# KiCad board data-center-rdimm-ddr5-tester.kicad_pcb (continued)
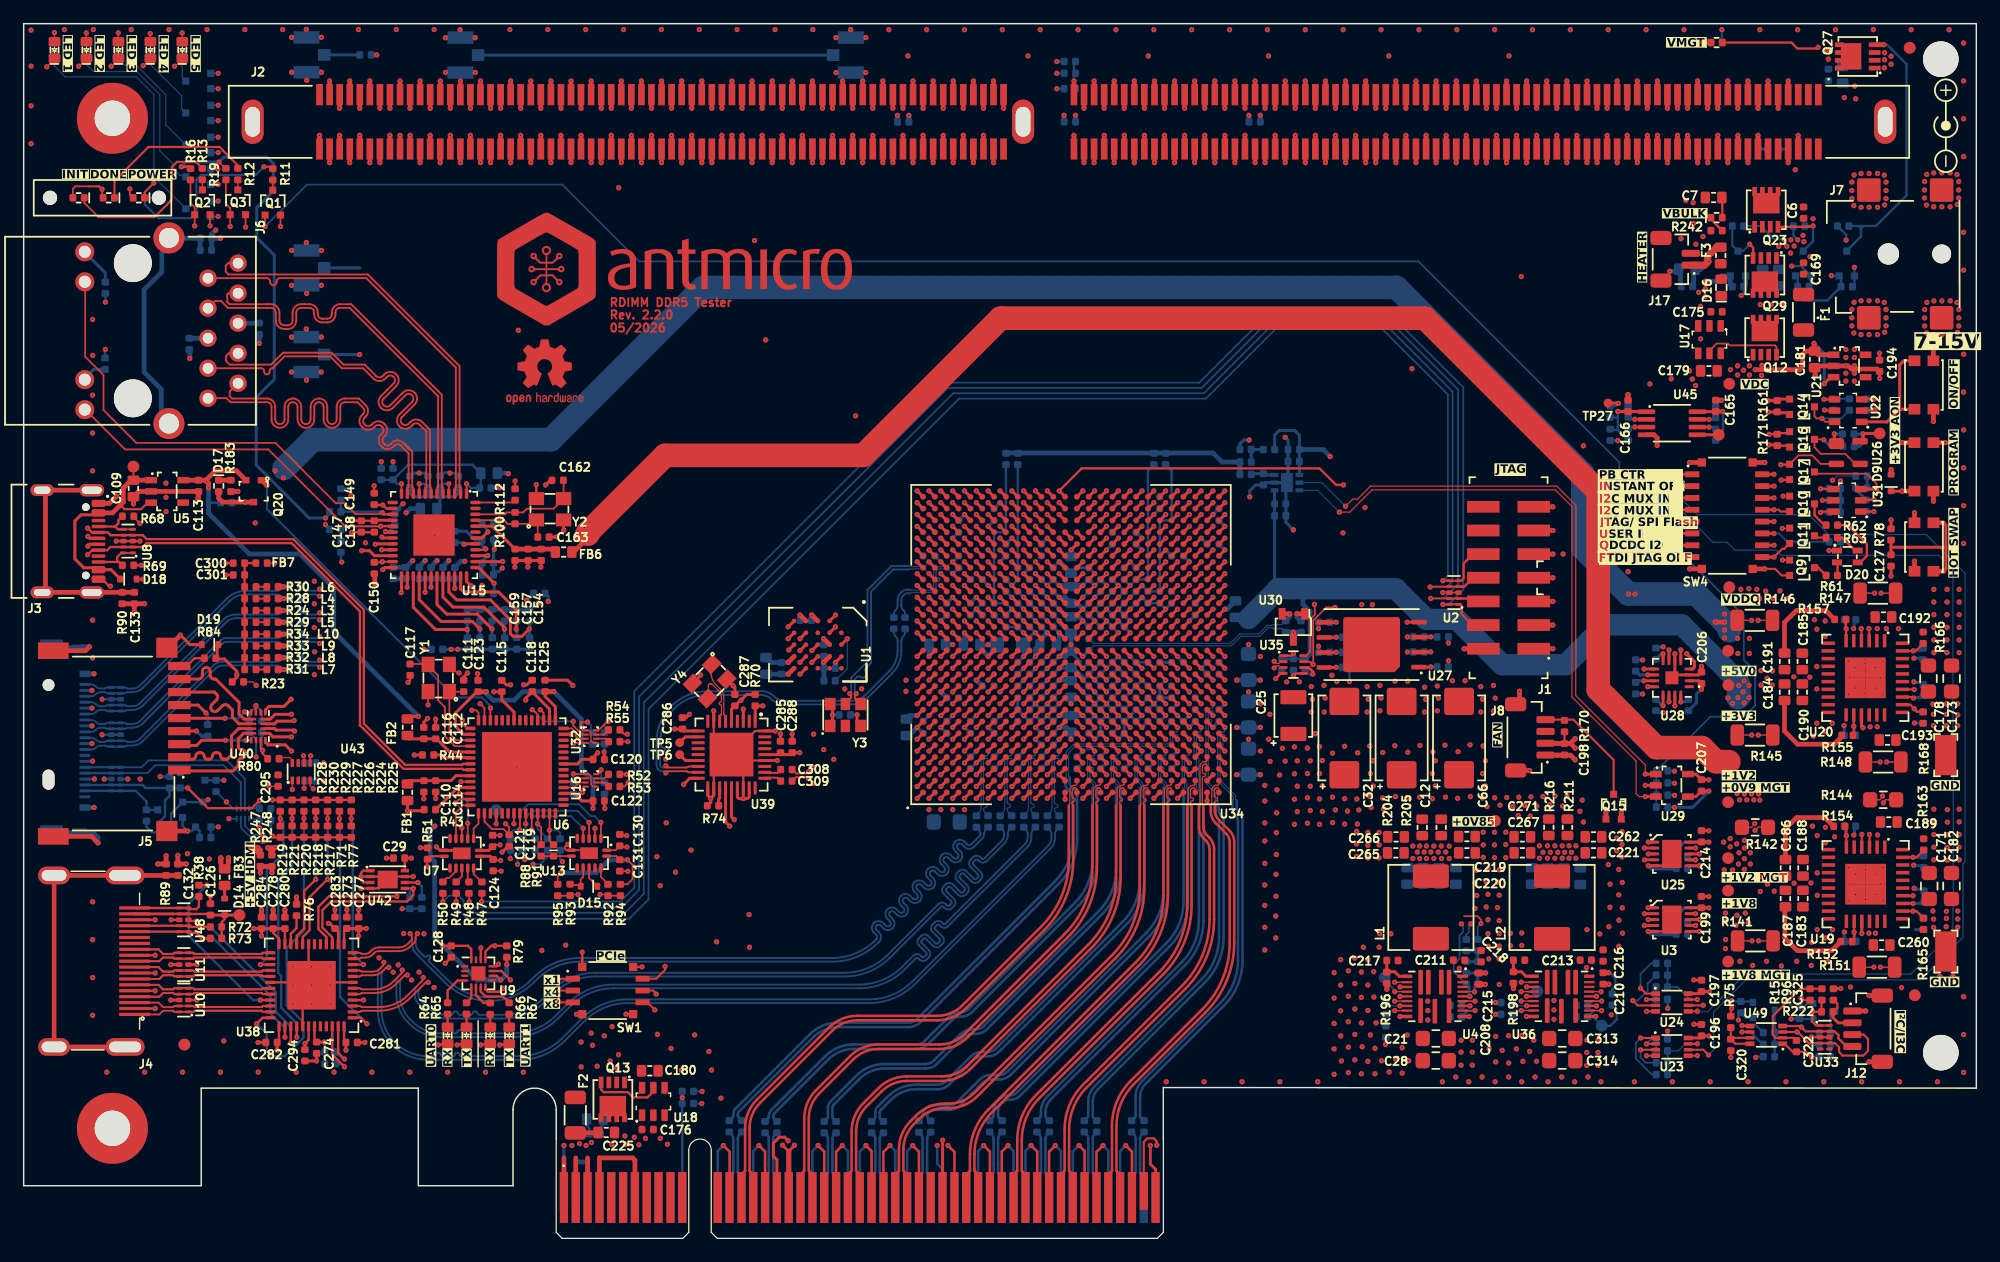
[diagram p0: board, top side]
## Routing (per net, layer and track width the routed paths; a pad name or vN(x,y) marks a point on that pad's centre or on a via; arc(x,y) is an arc through that point) (continued)
/DDR5 RDIMM/B.DQS0_N: length 72
  Top w0.256: U34.K18 v1(84.5,55.2)
  Top w0.38: J2.105 v1(58.15,95.55)
  In2.Cu w0.1: 90.89,64.08 90.92,64.05 90.92,60.06 90.66,59.8 90.21,59.8 89.9,59.49 89.9,56.94 89.76,56.8 89.06,56.8 88.06,55.8 87.2,55.8 arc(87.15,55.82) 87.12,55.88 arc(87.1,55.93) 87.05,55.95 87,55.95 arc(86.95,55.93) 86.93,55.88 arc(86.9,55.82) 86.85,55.8 85.14,55.8 84.91,55.57 84.91,55.34 84.78,55.2 v1(84.5,55.2)
  In2.Cu w0.13: 90.89,64.08 90.89,69.72 81.83,78.78 81.83,81.84 arc(81.78,82.08) 81.64,82.29 81.58,82.35 arc(81.39,82.8) 81.58,83.24 81.66,83.33 arc(81.78,83.6) 81.66,83.87 81.14,84.39 arc(80.87,84.51) 80.59,84.39 80.51,84.31 arc(80.07,84.12) 79.62,84.31 77.55,86.38 61.85,86.38 59.63,88.6 59.63,91.43 58.18,92.88 58.18,93.87 58.46,94.15 58.46,95.24 58.15,95.55 v1(58.15,95.55)
/DDR5 RDIMM/B.DQS0_P: length 71.8
  Top w0.256: U34.L18 v1(85.5,55.2)
  Top w0.38: J2.104 v1(59,95.55)
  In2.Cu w0.1: 91.13,64.11 91.12,64.1 91.12,59.98 90.74,59.6 90.29,59.6 90.1,59.41 90.1,56.86 89.84,56.6 89.14,56.6 88.14,55.6 85.22,55.6 85.11,55.49 85.11,55.31 85.22,55.2 v1(85.5,55.2)
  In2.Cu w0.13: v1(59,95.55) 58.69,95.24 58.69,94.05 58.42,93.78 58.42,92.97 59.87,91.52 59.87,88.7 61.95,86.62 77.65,86.62 79.79,84.48 arc(80.07,84.36) 80.34,84.48 80.43,84.56 arc(80.87,84.75) 81.31,84.56 81.83,84.04 arc(82.02,83.6) 81.83,83.16 81.75,83.07 arc(81.63,82.8) 81.75,82.52 81.85,82.42 arc(82.01,82.18) 82.07,81.89 82.07,78.87 91.13,69.8 91.13,64.11
/DDR5 RDIMM/B.DQS1_N: length 73.1
  Top w0.256: U34.L23 v1(85.5,60.2)
  Top w0.38: J2.116 v1(48.8,95.55)
  In6.Cu w0.1: 84.89,64.96 84.9,64.94 84.9,62.96 85.26,62.6 85.71,62.6 85.9,62.41 85.9,60.98 arc(85.86,60.88) 85.75,60.84 arc(85.65,60.79) 85.61,60.69 85.61,60.68 arc(85.65,60.58) 85.75,60.54 arc(85.86,60.49) 85.9,60.39 85.9,59.97 85.73,59.8 85.56,59.8 85.5,59.86 v1(85.5,60.2)
  In6.Cu w0.13: 84.89,64.96 84.89,65.32 84.45,65.75 72.62,65.75 71.75,64.88 64.32,64.88 56.88,72.33 56.88,84.3 arc(56.75,84.6) 56.45,84.73 56.26,84.73 arc(55.79,84.93) 55.59,85.4 arc(55.79,85.87) 56.26,86.07 56.45,86.07 arc(56.75,86.2) 56.88,86.5 arc(56.75,86.8) 56.45,86.93 56.26,86.93 arc(55.79,87.13) 55.59,87.6 arc(55.79,88.07) 56.26,88.27 56.45,88.27 arc(56.75,88.4) 56.88,88.7 56.88,89.19 56.33,89.74 56.33,91.25 55.6,91.98 51.28,91.98 50.35,92.9 50.35,93.55 49.1,94.8 49.1,95.28 48.84,95.55 v1(48.8,95.55)
/DDR5 RDIMM/B.DQS1_P: length 73
  Top w0.256: U34.L22 v1(85.5,59.2)
  Top w0.38: 49.65,96.7 v1(49.65,95.55)
  In6.Cu w0.1: v1(85.5,59.2) 85.5,59.5 85.6,59.6 85.81,59.6 86.1,59.89 86.1,62.49 85.79,62.8 85.34,62.8 85.1,63.04 85.1,64.93 85.13,64.96
  In6.Cu w0.13: v1(49.65,95.55) 49.34,95.24 49.34,94.9 50.59,93.65 50.59,93 51.37,92.22 55.7,92.22 56.57,91.35 56.57,89.84 57.12,89.29 57.12,88.7 arc(56.92,88.23) 56.45,88.03 56.26,88.03 arc(55.96,87.9) 55.83,87.6 arc(55.96,87.3) 56.26,87.17 56.45,87.17 arc(56.92,86.97) 57.12,86.5 arc(56.92,86.03) 56.45,85.83 56.26,85.83 arc(55.96,85.7) 55.83,85.4 arc(55.96,85.1) 56.26,84.97 56.45,84.97 arc(56.92,84.77) 57.12,84.3 57.12,72.42 64.42,65.12 71.65,65.12 72.53,65.99 84.55,65.99 85.13,65.42 85.13,64.96
/DDR5 RDIMM/B.DQS2_N: length 72.2
  Top w0.256: U34.G25 v1(81.5,62.2)
  Top w0.38: 39.45,96.7 v1(39.45,95.55)
  In4.Cu w0.1: 82.38,64.66 82.4,64.65 82.4,63.96 82.9,63.46 82.9,62.04 82.63,61.77 82.28,61.77 arc(82.19,61.81) 82.15,61.9 82.15,61.95 arc(82.11,62.04) 82.03,62.07 82.03,62.07 arc(81.94,62.04) 81.9,61.95 81.9,61.9 arc(81.86,61.81) 81.78,61.77 81.57,61.77 81.5,61.85 v1(81.5,62.2)
  In4.Cu w0.13: v1(39.45,95.55) 39.75,95.24 39.75,94.78 40.98,93.55 40.98,92.57 40.48,92.07 40.48,89.05 46.16,83.37 55.7,83.37 arc(56,83.25) 56.12,82.96 56.12,82.84 arc(56.31,82.38) 56.77,82.19 58.2,82.19 arc(58.66,82.38) 58.85,82.84 58.85,82.96 arc(58.97,83.25) 59.27,83.37 71.19,83.37 82.38,72.18 82.38,64.66
/DDR5 RDIMM/B.DQS2_P: length 72.1
  Top w0.256: U34.G24 v1(81.5,61.2)
  Top w0.38: 40.3,96.7 v1(40.3,95.55)
  In4.Cu w0.1: v1(81.5,61.2) 81.5,61.52 81.55,61.57 82.72,61.57 83.1,61.96 83.1,63.54 82.6,64.04 82.6,64.64 82.62,64.66
  In4.Cu w0.13: v1(40.3,95.55) 40,95.24 40,94.87 41.22,93.65 41.22,92.48 40.72,91.98 40.72,89.15 46.26,83.6 55.7,83.6 arc(56.16,83.41) 56.35,82.96 56.35,82.84 arc(56.47,82.54) 56.77,82.42 58.2,82.42 arc(58.5,82.54) 58.62,82.84 58.62,82.99 arc(58.8,83.42) 59.23,83.6 71.29,83.6 82.62,72.27 82.62,64.66
/DDR5 RDIMM/B.DQS3_N: length 74.3
  Top w0.256: U34.E26 v1(79.5,63.2)
  Top w0.38: J2.138 v1(30.1,95.55)
  In2.Cu w0.1: v1(79.5,63.2) 79.5,62.9 79.6,62.8 79.74,62.8 79.9,62.96 79.9,63.6 79.87,63.63
  In2.Cu w0.13: v1(30.1,95.55) 30.41,95.24 30.41,94.25 30.13,93.97 30.13,93.08 30.7,92.5 31.33,92.5 31.68,92.15 31.68,88.2 34,85.88 34.7,85.88 37.55,83.03 38.44,83.03 arc(38.73,82.97) 38.97,82.81 39.04,82.74 arc(39.13,82.51) 39.04,82.29 38.96,82.2 arc(38.79,81.8) 38.96,81.41 39.07,81.29 arc(39.47,81.12) 39.87,81.29 39.95,81.37 arc(40.18,81.47) 40.41,81.37 40.53,81.26 arc(40.62,81.03) 40.53,80.8 40.44,80.72 arc(40.28,80.32) 40.44,79.92 40.56,79.8 arc(40.96,79.64) 41.35,79.8 41.44,79.89 arc(41.66,79.98) 41.89,79.89 42.01,79.77 53.33,68.45 53.33,67.25 55.4,65.18 79.1,65.18 79.19,65.09 arc(79.23,64.98) 79.19,64.88 arc(79.15,64.77) 79.19,64.67 79.26,64.6 arc(79.37,64.55) 79.47,64.6 arc(79.58,64.64) 79.69,64.6 79.87,64.41 79.87,63.63
/DDR5 RDIMM/B.DQS3_P: length 74.3
  Top w0.256: U34.E25 v1(79.5,62.2)
  Top w0.38: 30.95,96.7 v1(30.95,95.55)
  In2.Cu w0.1: 80.11,63.63 80.1,63.62 80.1,62.87 79.83,62.6 79.6,62.6 79.5,62.5 v1(79.5,62.2)
  In2.Cu w0.13: v1(30.95,95.55) 30.65,95.24 30.65,94.15 30.37,93.88 30.37,93.17 30.8,92.74 31.42,92.74 31.92,92.25 31.92,88.3 34.1,86.12 34.8,86.12 37.65,83.27 38.46,83.27 arc(38.82,83.2) 39.12,83 39.21,82.91 arc(39.37,82.51) 39.21,82.12 39.12,82.03 arc(39.03,81.8) 39.12,81.58 39.24,81.46 arc(39.47,81.36) 39.7,81.46 39.78,81.54 arc(40.18,81.71) 40.58,81.54 40.69,81.42 arc(40.86,81.03) 40.69,80.63 40.61,80.55 arc(40.52,80.32) 40.61,80.09 40.73,79.97 arc(40.96,79.88) 41.18,79.97 41.27,80.06 arc(41.66,80.22) 42.06,80.06 53.57,68.55 53.57,67.35 55.5,65.42 79.2,65.42 80.11,64.51 80.11,63.63
/DDR5 RDIMM/B.DQS4_N: length 60.6
  Top w0.256: U34.P23 v1(89.5,59.2)
  Top w0.38: J2.238 v1(67.5,90.95)
  In6.Cu w0.1: v1(89.5,59.2) 89.47,59.17 89.15,59.17 89.1,59.22 89.1,59.55 90.1,60.55 90.1,64.68 90.12,64.7
  In6.Cu w0.13: 90.12,64.7 90.12,68.27 88.92,69.47 88.74,69.65 arc(88.7,69.74) 88.74,69.83 89.33,70.43 arc(89.52,70.86) 89.33,71.3 arc(88.9,71.48) 88.46,71.3 88.04,70.89 arc(87.77,70.78) 87.51,70.89 arc(87.39,71.16) 87.51,71.43 87.92,71.84 arc(88.1,72.28) 87.92,72.72 arc(87.48,72.9) 87.04,72.72 86.63,72.3 arc(86.36,72.19) 86.09,72.3 arc(85.98,72.57) 86.09,72.84 86.51,73.25 arc(86.69,73.69) 86.51,74.13 arc(86.07,74.31) 85.63,74.13 85.21,73.72 arc(84.95,73.61) 84.68,73.72 arc(84.57,73.99) 84.68,74.25 85.09,74.67 arc(85.27,75.11) 85.09,75.55 arc(84.65,75.73) 84.21,75.55 83.8,75.13 arc(83.53,75.02) 83.26,75.13 arc(83.15,75.4) 83.26,75.67 83.68,76.08 arc(83.86,76.52) 83.68,76.96 arc(83.24,77.14) 82.8,76.96 82.39,76.55 arc(82.12,76.43) 81.85,76.55 arc(81.74,76.81) 81.85,77.08 82.26,77.5 arc(82.44,77.94) 82.26,78.37 arc(81.82,78.56) 81.39,78.37 80.97,77.96 80.89,77.87 arc(80.7,77.8) 80.52,77.87 76.45,81.94 72.3,81.94 67.19,87.05 67.19,90.79 67.35,90.95 v1(67.5,90.95)
/DDR5 RDIMM/B.DQS4_P: length 60.6
  Top w0.256: U34.N23 v1(88.5,59.2)
  Top w0.38: J2.239 v1(66.65,90.95)
  In6.Cu w0.1: v1(88.5,59.2) 88.53,59.17 88.8,59.17 88.9,59.27 88.9,59.63 89.9,60.63 89.9,64.68 89.88,64.7
  In6.Cu w0.13: v1(66.65,90.95) 66.78,90.95 66.96,90.77 66.96,86.95 72.2,81.7 76.35,81.7 80.34,77.72 arc(80.7,77.56) 81.07,77.72 81.56,78.2 arc(81.82,78.32) 82.09,78.2 arc(82.2,77.94) 82.09,77.67 81.68,77.25 arc(81.5,76.81) 81.68,76.38 arc(82.12,76.19) 82.56,76.38 82.97,76.79 arc(83.24,76.9) 83.51,76.79 arc(83.62,76.52) 83.51,76.25 83.09,75.84 arc(82.91,75.4) 83.09,74.96 arc(83.53,74.78) 83.97,74.96 84.38,75.38 arc(84.65,75.49) 84.92,75.38 arc(85.03,75.11) 84.92,74.84 84.51,74.42 arc(84.33,73.99) 84.51,73.55 arc(84.95,73.37) 85.38,73.55 85.8,73.96 arc(86.07,74.07) 86.34,73.96 arc(86.45,73.69) 86.34,73.42 85.92,73.01 arc(85.74,72.57) 85.92,72.13 arc(86.36,71.95) 86.8,72.13 87.21,72.55 arc(87.48,72.66) 87.75,72.55 arc(87.86,72.28) 87.75,72.01 87.34,71.6 arc(87.15,71.16) 87.34,70.72 arc(87.77,70.54) 88.21,70.72 88.63,71.13 arc(88.9,71.24) 89.16,71.13 arc(89.28,70.86) 89.16,70.6 88.55,69.98 arc(88.45,69.74) 88.55,69.5 88.75,69.3 89.88,68.18 89.88,64.7
/DDR5 RDIMM/B.DQS5_N: length 75.6
  Top w0.256: U34.L19 v1(85.5,56.2)
  Top w0.38: J2.249 v1(58.15,90.95)
  In2.Cu w0.1: v1(85.5,56.2) 85.84,56.2 85.88,56.24 85.88,56.54 86.14,56.8 88.08,56.8 88.9,57.62 88.9,59.54 89.9,60.54 89.9,64.02 89.88,64.04
  In2.Cu w0.13: 89.88,64.04 89.88,69.04 80.33,78.58 80.33,81.43 76.73,85.03 73.38,85.03 arc(73.12,84.93) 73.02,84.67 73.02,84.34 arc(72.85,83.92) 72.43,83.75 arc(72,83.92) 71.83,84.34 71.83,84.67 arc(71.73,84.93) 71.47,85.03 arc(71.22,84.93) 71.12,84.67 71.12,84.34 arc(70.95,83.92) 70.53,83.75 arc(70.1,83.92) 69.93,84.34 69.93,84.67 arc(69.83,84.93) 69.57,85.03 arc(69.32,84.93) 69.22,84.67 69.22,84.34 arc(69.05,83.92) 68.62,83.75 arc(68.2,83.92) 68.03,84.34 68.03,84.67 arc(67.93,84.93) 67.68,85.03 arc(67.42,84.93) 67.32,84.67 67.32,84.34 arc(67.15,83.92) 66.72,83.75 arc(66.3,83.92) 66.13,84.34 66.13,84.67 arc(66.03,84.93) 65.78,85.03 arc(65.52,84.93) 65.42,84.67 65.42,84.34 arc(65.25,83.92) 64.82,83.75 arc(64.4,83.92) 64.23,84.34 64.23,84.67 arc(64.13,84.93) 63.88,85.03 arc(63.62,84.93) 63.52,84.67 63.52,84.34 arc(63.35,83.92) 62.93,83.75 arc(62.5,83.92) 62.33,84.34 62.33,84.67 arc(62.23,84.93) 61.97,85.03 61.23,85.03 57.73,88.53 57.73,89.63 57.77,89.67 arc(57.85,89.87) 57.77,90.06 57.74,90.1 arc(57.66,90.29) 57.74,90.49 arc(57.93,90.57) 58.12,90.49 58.16,90.45 arc(58.35,90.37) 58.55,90.45 58.66,90.56 58.66,91.23 58.34,91.54 57.97,91.54 57.84,91.42 57.84,91.25 v1(58.15,90.95)
/DDR5 RDIMM/B.DQS5_P: length 75.7
  Top w0.256: U34.M19 v1(86.5,56.2)
  Top w0.38: J2.250 v1(57.3,90.95)
  In2.Cu w0.1: v1(86.5,56.2) 86.16,56.2 86.11,56.24 86.11,56.49 86.22,56.6 88.17,56.6 89.1,57.53 89.1,59.46 90.1,60.46 90.1,64.02 90.12,64.04
  In2.Cu w0.13: 90.12,64.04 90.12,69.12 80.57,78.67 80.57,81.52 76.82,85.27 73.38,85.27 arc(72.95,85.1) 72.78,84.67 72.78,84.34 arc(72.68,84.09) 72.43,83.99 arc(72.17,84.09) 72.07,84.34 72.07,84.67 arc(71.9,85.1) 71.47,85.27 arc(71.05,85.1) 70.88,84.67 70.88,84.34 arc(70.78,84.09) 70.53,83.99 arc(70.27,84.09) 70.17,84.34 70.17,84.67 arc(70,85.1) 69.57,85.27 arc(69.15,85.1) 68.98,84.67 68.98,84.34 arc(68.88,84.09) 68.62,83.99 arc(68.37,84.09) 68.27,84.34 68.27,84.67 arc(68.1,85.1) 67.68,85.27 arc(67.25,85.1) 67.08,84.67 67.08,84.34 arc(66.98,84.09) 66.72,83.99 arc(66.47,84.09) 66.37,84.34 66.37,84.67 arc(66.2,85.1) 65.78,85.27 arc(65.35,85.1) 65.18,84.67 65.18,84.34 arc(65.08,84.09) 64.82,83.99 arc(64.57,84.09) 64.47,84.34 64.47,84.67 arc(64.3,85.1) 63.88,85.27 arc(63.45,85.1) 63.28,84.67 63.28,84.34 arc(63.18,84.09) 62.93,83.99 arc(62.67,84.09) 62.57,84.34 62.57,84.67 arc(62.4,85.1) 61.97,85.27 61.32,85.27 57.97,88.62 57.97,89.53 58.9,90.46 58.9,91.32 58.44,91.78 57.87,91.78 57.6,91.51 57.6,91.25 v1(57.3,90.95)
/DDR5 RDIMM/B.DQS6_N: length 71.3
  Top w0.256: U34.L25 v1(85.5,62.2)
  Top w0.38: J2.260 v1(48.8,90.95)
  In6.Cu w0.1: 75,61.8 85.44,61.8 85.5,61.86 v1(85.5,62.2)
  In6.Cu w0.13: v1(48.8,90.95) 48.75,90.95 48.5,90.69 48.5,89.72 49.55,88.67 49.55,82.73 arc(49.65,82.48) 49.91,82.37 51.06,82.37 arc(51.48,82.2) 51.65,81.78 51.65,81.59 arc(51.49,81.2) 51.11,81.04 50.04,81.04 arc(49.82,80.96) 49.73,80.74 arc(49.82,80.52) 50.04,80.43 51.11,80.43 arc(51.49,80.28) 51.65,79.89 arc(51.49,79.5) 51.11,79.34 50.04,79.34 arc(49.82,79.26) 49.73,79.04 arc(49.82,78.82) 50.04,78.73 51.11,78.73 arc(51.49,78.58) 51.65,78.19 arc(51.49,77.8) 51.11,77.64 50.04,77.64 arc(49.82,77.56) 49.73,77.34 arc(49.82,77.12) 50.04,77.03 51.11,77.03 arc(51.49,76.88) 51.65,76.49 51.65,71.94 61.77,61.82 62.31,61.82 arc(62.43,61.87) 62.48,61.99 arc(62.54,62.12) 62.66,62.17 62.96,62.17 arc(63.08,62.12) 63.13,61.99 arc(63.19,61.87) 63.31,61.82 74.99,61.82
/DDR5 RDIMM/B.DQS6_P: length 71.2
  Top w0.256: U34.L24 v1(85.5,61.2)
  Top w0.38: 47.95,92.1 v1(47.95,90.95)
  In6.Cu w0.1: 75,61.6 85.4,61.6 85.5,61.5 v1(85.5,61.2)
  In6.Cu w0.13: 74.99,61.58 61.67,61.58 51.41,71.84 51.41,76.49 arc(51.32,76.71) 51.11,76.79 50.04,76.79 arc(49.65,76.95) 49.49,77.34 arc(49.65,77.73) 50.04,77.88 51.11,77.88 arc(51.32,77.97) 51.41,78.19 arc(51.32,78.41) 51.11,78.49 50.04,78.49 arc(49.65,78.65) 49.49,79.04 arc(49.65,79.43) 50.04,79.58 51.11,79.58 arc(51.32,79.67) 51.41,79.89 arc(51.32,80.11) 51.11,80.19 50.04,80.19 arc(49.65,80.35) 49.49,80.74 arc(49.65,81.13) 50.04,81.28 51.11,81.28 arc(51.32,81.37) 51.41,81.59 51.41,81.78 arc(51.31,82.03) 51.06,82.13 49.91,82.13 arc(49.48,82.31) 49.31,82.73 49.31,88.57 48.25,89.63 48.25,90.64 v1(47.95,90.95)
/DDR5 RDIMM/B.DQS7_N: length 72.3
  Top w0.256: U34.F25 v1(80.5,62.2)
  Top w0.38: 39.45,92.1 v1(39.45,90.95)
  In4.Cu w0.1: 80.11,64.13 80.1,64.12 80.1,62.9 arc(80.14,62.81) 80.22,62.77 80.24,62.77 arc(80.32,62.74) 80.36,62.65 arc(80.32,62.56) 80.24,62.52 80.22,62.52 arc(80.14,62.49) 80.1,62.4 80.1,61.9 80.2,61.8 80.43,61.8 80.5,61.88 v1(80.5,62.2)
  In4.Cu w0.13: 80.11,64.13 80.11,69.44 69.07,80.49 61.22,80.49 59.15,78.42 58.85,78.42 arc(58.51,78.56) 58.37,78.9 58.37,79.21 arc(58.16,79.72) 57.65,79.93 arc(57.14,79.72) 56.93,79.21 56.93,78.9 arc(56.79,78.56) 56.45,78.42 arc(56.11,78.56) 55.97,78.9 55.97,79.21 arc(55.76,79.72) 55.25,79.93 arc(54.74,79.72) 54.53,79.21 54.53,78.9 arc(54.39,78.56) 54.05,78.42 arc(53.71,78.56) 53.57,78.9 53.57,79.21 arc(53.36,79.72) 52.85,79.93 arc(52.34,79.72) 52.13,79.21 52.13,78.9 arc(51.99,78.56) 51.65,78.42 arc(51.31,78.56) 51.17,78.9 51.17,79.21 arc(50.96,79.72) 50.45,79.93 arc(49.94,79.72) 49.73,79.21 49.73,78.9 arc(49.59,78.56) 49.25,78.42 48.2,78.42 39.15,87.47 39.15,90.64 v1(39.45,90.95)
/DDR5 RDIMM/B.DQS7_P: length 72.3
  Top w0.256: U34.F24 v1(80.5,61.2)
  Top w0.38: J2.272 v1(38.6,90.95)
  In4.Cu w0.1: 79.87,64.13 79.9,64.11 79.9,61.82 80.12,61.6 80.43,61.6 80.5,61.52 v1(80.5,61.2)
  In4.Cu w0.13: 79.87,64.13 79.87,69.35 68.97,80.25 61.32,80.25 59.25,78.18 58.85,78.18 arc(58.34,78.39) 58.13,78.9 58.13,79.21 arc(57.99,79.55) 57.65,79.69 arc(57.31,79.55) 57.17,79.21 57.17,78.9 arc(56.96,78.39) 56.45,78.18 arc(55.94,78.39) 55.73,78.9 55.73,79.21 arc(55.59,79.55) 55.25,79.69 arc(54.91,79.55) 54.77,79.21 54.77,78.9 arc(54.56,78.39) 54.05,78.18 arc(53.54,78.39) 53.33,78.9 53.33,79.21 arc(53.19,79.55) 52.85,79.69 arc(52.51,79.55) 52.37,79.21 52.37,78.9 arc(52.16,78.39) 51.65,78.18 arc(51.14,78.39) 50.93,78.9 50.93,79.21 arc(50.79,79.55) 50.45,79.69 arc(50.11,79.55) 49.97,79.21 49.97,78.9 arc(49.76,78.39) 49.25,78.18 48.1,78.18 38.91,87.38 38.91,90.69 38.65,90.95 v1(38.6,90.95)
/DDR5 RDIMM/B.DQS8_N: length 75.9
  Top w0.256: U34.C24 v1(77.5,61.2)
  Top w0.38: J2.282 v1(30.1,90.95)
  In2.Cu w0.1: v1(77.5,61.2) 77.5,60.85 77.65,60.7 77.75,60.7 77.88,60.82 77.88,62.47 78.21,62.8 78.66,62.8 78.9,63.04 78.9,63.54 78.9,63.55 78.9,63.62 78.88,63.64
  In2.Cu w0.13: v1(30.1,90.95) 29.79,91.25 29.79,91.66 29.92,91.79 30.44,91.79 30.68,91.55 30.68,90.5 arc(30.63,90.38) 30.51,90.33 arc(30.38,90.28) 30.33,90.15 30.33,90.05 arc(30.38,89.93) 30.51,89.88 arc(30.63,89.83) 30.68,89.7 30.68,89.6 arc(30.63,89.48) 30.51,89.43 arc(30.38,89.38) 30.33,89.25 30.33,89.15 arc(30.38,89.03) 30.51,88.98 arc(30.63,88.93) 30.68,88.8 30.68,87.5 33.25,84.93 34.05,84.93 41.19,77.79 arc(41.57,77.63) 41.95,77.79 42.04,77.88 arc(42.25,77.96) 42.46,77.88 43.18,77.16 arc(43.27,76.95) 43.18,76.74 43.09,76.65 arc(42.93,76.27) 43.09,75.89 43.81,75.17 arc(44.19,75.02) 44.57,75.17 44.66,75.26 arc(44.87,75.35) 45.08,75.26 45.79,74.54 arc(45.88,74.33) 45.79,74.12 45.71,74.04 arc(45.55,73.65) 45.71,73.27 46.42,72.56 arc(46.8,72.4) 47.19,72.56 47.27,72.64 arc(47.48,72.73) 47.7,72.64 48.41,71.93 arc(48.5,71.72) 48.41,71.5 48.33,71.42 arc(48.17,71.04) 48.33,70.66 49.04,69.94 arc(49.42,69.78) 49.8,69.94 49.89,70.03 arc(50.1,70.11) 50.31,70.03 51.03,69.31 arc(51.11,69.1) 51.03,68.89 50.94,68.8 arc(50.78,68.42) 50.94,68.04 54.85,64.13 78.55,64.13 78.88,63.8 78.88,63.64
/DDR5 RDIMM/B.DQS8_P: length 75.9
  Top w0.256: U34.D23 v1(78.5,60.2)
  Top w0.38: J2.283 v1(29.25,90.95)
  In2.Cu w0.1: 79.11,63.64 79.1,63.63 79.1,62.96 78.74,62.6 78.29,62.6 78.07,62.38 78.07,60.63 v1(78.5,60.2)
  In2.Cu w0.13: v1(29.25,90.95) 29.56,91.25 29.56,91.76 29.82,92.03 30.54,92.03 30.92,91.65 30.92,87.6 33.35,85.17 34.15,85.17 41.36,77.96 arc(41.57,77.87) 41.78,77.96 41.87,78.04 arc(42.25,78.2) 42.63,78.04 43.35,77.33 arc(43.51,76.95) 43.35,76.57 43.26,76.48 arc(43.17,76.27) 43.26,76.06 43.98,75.34 arc(44.19,75.26) 44.4,75.34 44.49,75.43 arc(44.87,75.59) 45.25,75.43 45.96,74.71 arc(46.12,74.33) 45.96,73.95 45.88,73.87 arc(45.79,73.65) 45.88,73.44 46.59,72.73 arc(46.8,72.64) 47.02,72.73 47.1,72.81 arc(47.48,72.97) 47.87,72.81 48.58,72.1 arc(48.74,71.72) 48.58,71.33 48.49,71.25 arc(48.41,71.04) 48.49,70.82 49.21,70.11 arc(49.42,70.02) 49.63,70.11 49.72,70.2 arc(50.1,70.35) 50.48,70.2 51.2,69.48 arc(51.35,69.1) 51.2,68.72 51.11,68.63 arc(51.02,68.42) 51.11,68.21 54.95,64.37 78.65,64.37 79.11,63.91 79.11,63.64
/DDR5 RDIMM/B.DQS9_N: length 60.4
  Top w0.256: U34.R23 v1(90.5,60.2)
  Top w0.38: J2.94 v1(67.5,95.55)
  In6.Cu w0.1: 90.88,64.7 90.9,64.68 90.9,61 arc(90.86,60.91) 90.77,60.87 arc(90.67,60.83) 90.64,60.74 90.64,60.65 arc(90.67,60.56) 90.77,60.52 arc(90.86,60.48) 90.9,60.39 90.9,59.94 90.76,59.8 90.55,59.8 90.5,59.85 v1(90.5,60.2)
  In6.Cu w0.13: 90.88,64.7 90.88,71.33 82.26,79.95 arc(81.87,80.11) 81.47,79.95 81.1,79.57 arc(80.53,79.34) 79.97,79.57 arc(79.74,80.13) 79.97,80.69 80.35,81.07 arc(80.51,81.46) 80.35,81.86 arc(79.96,82.02) 79.56,81.86 79.19,81.48 arc(78.62,81.24) 78.06,81.48 arc(77.83,82.04) 78.06,82.6 78.44,82.98 arc(78.6,83.37) 78.44,83.77 78.05,84.15 77.45,84.15 arc(77.16,84.04) 77.04,83.75 77.04,83.63 arc(76.86,83.17) 76.4,82.98 76,82.98 arc(75.54,83.17) 75.35,83.63 75.35,83.75 arc(75.24,84.04) 74.95,84.15 74.55,84.15 arc(74.26,84.04) 74.15,83.75 74.15,83.63 arc(73.96,83.17) 73.5,82.98 73.1,82.98 arc(72.64,83.17) 72.46,83.63 72.46,83.75 arc(72.34,84.04) 72.05,84.15 71.58,84.15 68.14,87.59 68.14,91.84 67.56,92.42 67.56,94.5 67.81,94.75 67.81,95.29 67.55,95.55 v1(67.5,95.55)
/DDR5 RDIMM/B.DQS9_P: length 60.4
  Top w0.256: U34.R22 v1(90.5,59.2)
  Top w0.38: J2.93 v1(68.35,95.55)
  In6.Cu w0.1: v1(90.5,59.2) 90.5,59.5 90.55,59.55 90.79,59.55 91.1,59.86 91.1,64.68 91.12,64.7
  In6.Cu w0.13: 91.12,64.7 91.12,71.42 82.43,80.12 arc(81.87,80.35) 81.3,80.12 80.93,79.74 arc(80.53,79.58) 80.14,79.74 arc(79.98,80.13) 80.14,80.52 80.52,80.9 arc(80.75,81.46) 80.52,82.03 arc(79.96,82.26) 79.39,82.03 79.02,81.65 arc(78.62,81.48) 78.23,81.65 arc(78.07,82.04) 78.23,82.43 78.61,82.81 arc(78.84,83.37) 78.61,83.93 78.15,84.39 77.45,84.39 arc(76.99,84.21) 76.81,83.75 76.81,83.63 arc(76.69,83.34) 76.4,83.22 76,83.22 arc(75.71,83.34) 75.59,83.63 75.59,83.75 arc(75.41,84.21) 74.95,84.39 74.55,84.39 arc(74.09,84.21) 73.91,83.75 73.91,83.63 arc(73.79,83.34) 73.5,83.22 73.1,83.22 arc(72.81,83.34) 72.69,83.63 72.69,83.75 arc(72.51,84.21) 72.05,84.39 71.67,84.39 68.38,87.69 68.38,91.94 67.79,92.52 67.79,94.4 68.04,94.65 68.04,95.24 v1(68.35,95.55)
/DDR5 RDIMM/B.PAR: length 63.9
  Top w0.256: U34.R26 v1(90.5,63.2)
  Top w0.38: 76.85,92.1 v1(76.85,90.95)
  In9.Cu w0.1: v1(76.85,90.95) 76.85,90.25 75.2,88.6 75.2,88.1 74.95,87.85 74.35,87.85 arc(74.19,87.92) 74.12,88.07 74.12,88.23 arc(74.06,88.39) 73.9,88.46 arc(73.74,88.39) 73.68,88.23 73.68,88.07 arc(73.61,87.92) 73.45,87.85 arc(73.29,87.92) 73.22,88.07 73.22,88.23 arc(73.16,88.39) 73,88.46 arc(72.84,88.39) 72.78,88.23 72.78,88.07 arc(72.71,87.92) 72.55,87.85 arc(72.39,87.92) 72.32,88.07 72.32,88.23 arc(72.26,88.39) 72.1,88.46 arc(71.94,88.39) 71.88,88.23 71.88,88.07 arc(71.81,87.92) 71.65,87.85 arc(71.49,87.92) 71.43,88.07 71.43,88.23 arc(71.36,88.39) 71.2,88.46 arc(71.04,88.39) 70.97,88.23 70.97,88.07 arc(70.91,87.92) 70.75,87.85 arc(70.59,87.92) 70.53,88.07 70.53,88.23 arc(70.46,88.39) 70.3,88.46 arc(70.14,88.39) 70.07,88.23 70.07,88.07 arc(70.01,87.92) 69.85,87.85 69.6,87.85 67.35,85.6 67.35,80.45 72.55,75.25 72.55,69.4 75.4,66.55 85.5,66.55 87,65.05 87,60.8 87.5,60.3 89.36,60.3 90,60.94 90,61.43 90.24,61.67 90.73,61.67 91,61.94 91,62.4 90.5,62.9 v1(90.5,63.2)
/DDR5 RDIMM/CTRL.CK_N: length 62.6
  Top w0.256: U34.W26 v1(94.5,63.2)
  Top w0.38: J2.218 v1(89.6,90.95)
  In9.Cu w0.1: v1(94.5,63.2) 94.5,62.85 94.45,62.8 94.24,62.8 94.1,62.94 94.1,63.5 94.12,63.52 94.12,63.65 arc(94.16,63.74) 94.25,63.77 arc(94.33,63.81) 94.37,63.9 94.37,63.95 arc(94.33,64.04) 94.25,64.07 arc(94.16,64.11) 94.12,64.2 94.12,64.25 arc(94.16,64.34) 94.25,64.38 arc(94.33,64.41) 94.37,64.5 94.37,64.55 arc(94.33,64.64) 94.25,64.67 arc(94.16,64.71) 94.12,64.8 94.12,74.56 92.15,76.52 86.45,76.52 arc(86.08,76.68) 85.93,77.05 85.93,77.25 arc(86.02,77.48) 86.25,77.57 87.18,77.57 arc(87.58,77.74) 87.75,78.15 arc(87.58,78.56) 87.18,78.72 86.25,78.72 arc(86.02,78.82) 85.93,79.05 arc(86.02,79.28) 86.25,79.37 87.18,79.37 arc(87.58,79.54) 87.75,79.95 arc(87.58,80.36) 87.18,80.52 86.25,80.52 arc(86.02,80.62) 85.93,80.85 85.93,80.92 arc(85.7,81.47) 85.15,81.7 arc(84.6,81.47) 84.38,80.92 84.38,77.05 arc(84.22,76.68) 83.85,76.52 82.7,76.52 82.43,76.8 82.43,77.6 83.22,78.4 83.22,81.15 85.68,83.6 85.68,88.65 88.8,91.77 88.9,91.77 arc(89.02,91.72) 89.07,91.6 89.07,91.5 arc(89.13,91.38) 89.25,91.33 arc(89.37,91.38) 89.43,91.5 89.43,91.6 arc(89.48,91.72) 89.6,91.77 89.7,91.77 89.9,91.57 89.9,91.25 v1(89.6,90.95)
/DDR5 RDIMM/CTRL.CK_P: length 62.6
  Top w0.256: U34.W25 v1(94.5,62.2)
  Top w0.38: J2.217 v1(90.45,90.95)
  In9.Cu w0.1: v1(94.5,62.2) 94.5,62.55 94.45,62.6 94.16,62.6 93.9,62.86 93.9,63.5 93.87,63.52 93.87,74.45 92.05,76.27 86.45,76.27 arc(85.9,76.5) 85.68,77.05 85.68,77.25 arc(85.84,77.66) 86.25,77.82 87.18,77.82 arc(87.41,77.92) 87.5,78.15 arc(87.41,78.38) 87.18,78.47 86.25,78.47 arc(85.84,78.64) 85.68,79.05 arc(85.84,79.46) 86.25,79.62 87.18,79.62 arc(87.41,79.72) 87.5,79.95 arc(87.41,80.18) 87.18,80.27 86.25,80.27 arc(85.84,80.44) 85.68,80.85 85.68,80.92 arc(85.52,81.3) 85.15,81.45 arc(84.78,81.3) 84.62,80.92 84.62,77.05 arc(84.4,76.5) 83.85,76.27 82.6,76.27 82.18,76.7 82.18,77.7 82.97,78.5 82.97,81.25 85.43,83.7 85.43,88.75 88.7,92.02 89.8,92.02 90.15,91.68 90.15,91.25 v1(90.45,90.95)
/DDR5 RDIMM/CTRL.DLBDQ: length 63.6
  Top w0.256: U34.U26 v1(92.5,63.2)
  Top w0.38: J2.86 v1(74.3,95.55)
  In9.Cu w0.148: v1(74.3,95.55) 75.4,96.65 85.5,96.65 86,96.15 86,92.25 85.45,91.7 arc(85.23,91.61) 85.02,91.7 84.75,91.97 arc(84.54,92.05) 84.33,91.97 arc(84.24,91.75) 84.33,91.54 84.6,91.27 arc(84.69,91.06) 84.6,90.85 arc(84.39,90.76) 84.17,90.85 83.9,91.12 arc(83.69,91.21) 83.48,91.12 arc(83.39,90.91) 83.48,90.69 83.75,90.42 arc(83.84,90.21) 83.75,90 83.75,84.8 81.2,82.25 81.2,79.35 80,78.15 80,75.65 81.25,74.4 91.25,74.4 92.5,73.15 v1(92.5,63.2)
/DDR5 RDIMM/CTRL.DLBDQS: length 63.7
  Top w0.256: U34.V26 v1(93.5,63.2)
  Top w0.38: 73.45,96.7 v1(73.45,95.55)
  In9.Cu w0.148: v1(73.45,95.55) 73.45,96.25 74.5,97.3 86,97.3 87.2,96.1 87.2,92.15 84.65,89.6 84.65,84.3 82.05,81.7 82.05,78.9 80.95,77.8 80.95,76.25 81.8,75.4 91.65,75.4 93.25,73.8 93.25,63.45 v1(93.5,63.2)
/DDR5 RDIMM/CTRL.PWR_GOOD: length 79.5
  Top w0.198: v1(111.53,63.7) 110.9,63.7 109.5,65.1 89.4,65.1 v1(87.5,63.2)
  Top w0.256: U34.N26 v1(87.5,63.2)
  Top w0.38: J2.147 v1(149.95,93.25)
  In6.Cu w0.1: v1(149.95,93.25) 149.95,92.8 147.93,90.77 147.93,88.52 144.53,85.12 134.38,85.12 112.95,63.7 v1(111.53,63.7)
/DDR5 RDIMM/CTRL.~{ALERT}: length 62.4
  Top w0.256: U34.AA23 v1(96.5,60.2)
  Top w0.38: J2.62 v1(99.8,95.55)
  In9.Cu w0.1: v1(96.5,60.2) 96.8,60.2 97.3,60.7 97.75,60.7 98.01,60.96 98.01,61.41 98.36,61.76 98.82,61.76 99.01,61.95 99.01,64.03 100.3,65.32 100.3,77.85 95.9,82.25 94.35,82.25 94,82.6 94,83.8 95,84.8 95,85.5 arc(95.07,85.68) 95.25,85.75 95.86,85.75 arc(96.04,85.82) 96.11,86 arc(96.04,86.18) 95.86,86.25 95.25,86.25 arc(95.07,86.32) 95,86.5 arc(95.07,86.68) 95.25,86.75 95.86,86.75 arc(96.04,86.82) 96.11,87 arc(96.04,87.18) 95.86,87.25 95.25,87.25 arc(95.07,87.32) 95,87.5 arc(95.07,87.68) 95.25,87.75 95.86,87.75 arc(96.04,87.82) 96.11,88 arc(96.04,88.18) 95.86,88.25 95.25,88.25 arc(95.07,88.32) 95,88.5 arc(95.07,88.68) 95.25,88.75 95.86,88.75 arc(96.04,88.82) 96.11,89 arc(96.04,89.18) 95.86,89.25 95.25,89.25 arc(95.07,89.32) 95,89.5 arc(95.07,89.68) 95.25,89.75 95.86,89.75 arc(96.04,89.82) 96.11,90 arc(96.04,90.18) 95.86,90.25 95.25,90.25 arc(95.07,90.32) 95,90.5 95,91.7 95.25,91.95 95.25,95.95 95.8,96.5 95.95,96.5 arc(96.18,96.6) 96.28,96.82 96.28,97.17 arc(96.37,97.4) 96.6,97.5 arc(96.83,97.4) 96.93,97.17 96.93,96.82 arc(97.02,96.6) 97.25,96.5 arc(97.48,96.6) 97.57,96.82 97.57,97.17 arc(97.67,97.4) 97.9,97.5 arc(98.13,97.4) 98.22,97.17 98.22,96.82 arc(98.32,96.6) 98.55,96.5 98.85,96.5 arc(99.06,96.41) 99.27,96.5 99.56,96.78 arc(99.77,96.87) 99.98,96.78 arc(100.07,96.57) 99.98,96.36 99.7,96.08 arc(99.61,95.86) 99.7,95.65 v1(99.8,95.55)
